# KiCad board q2.kicad_pcb (continued)
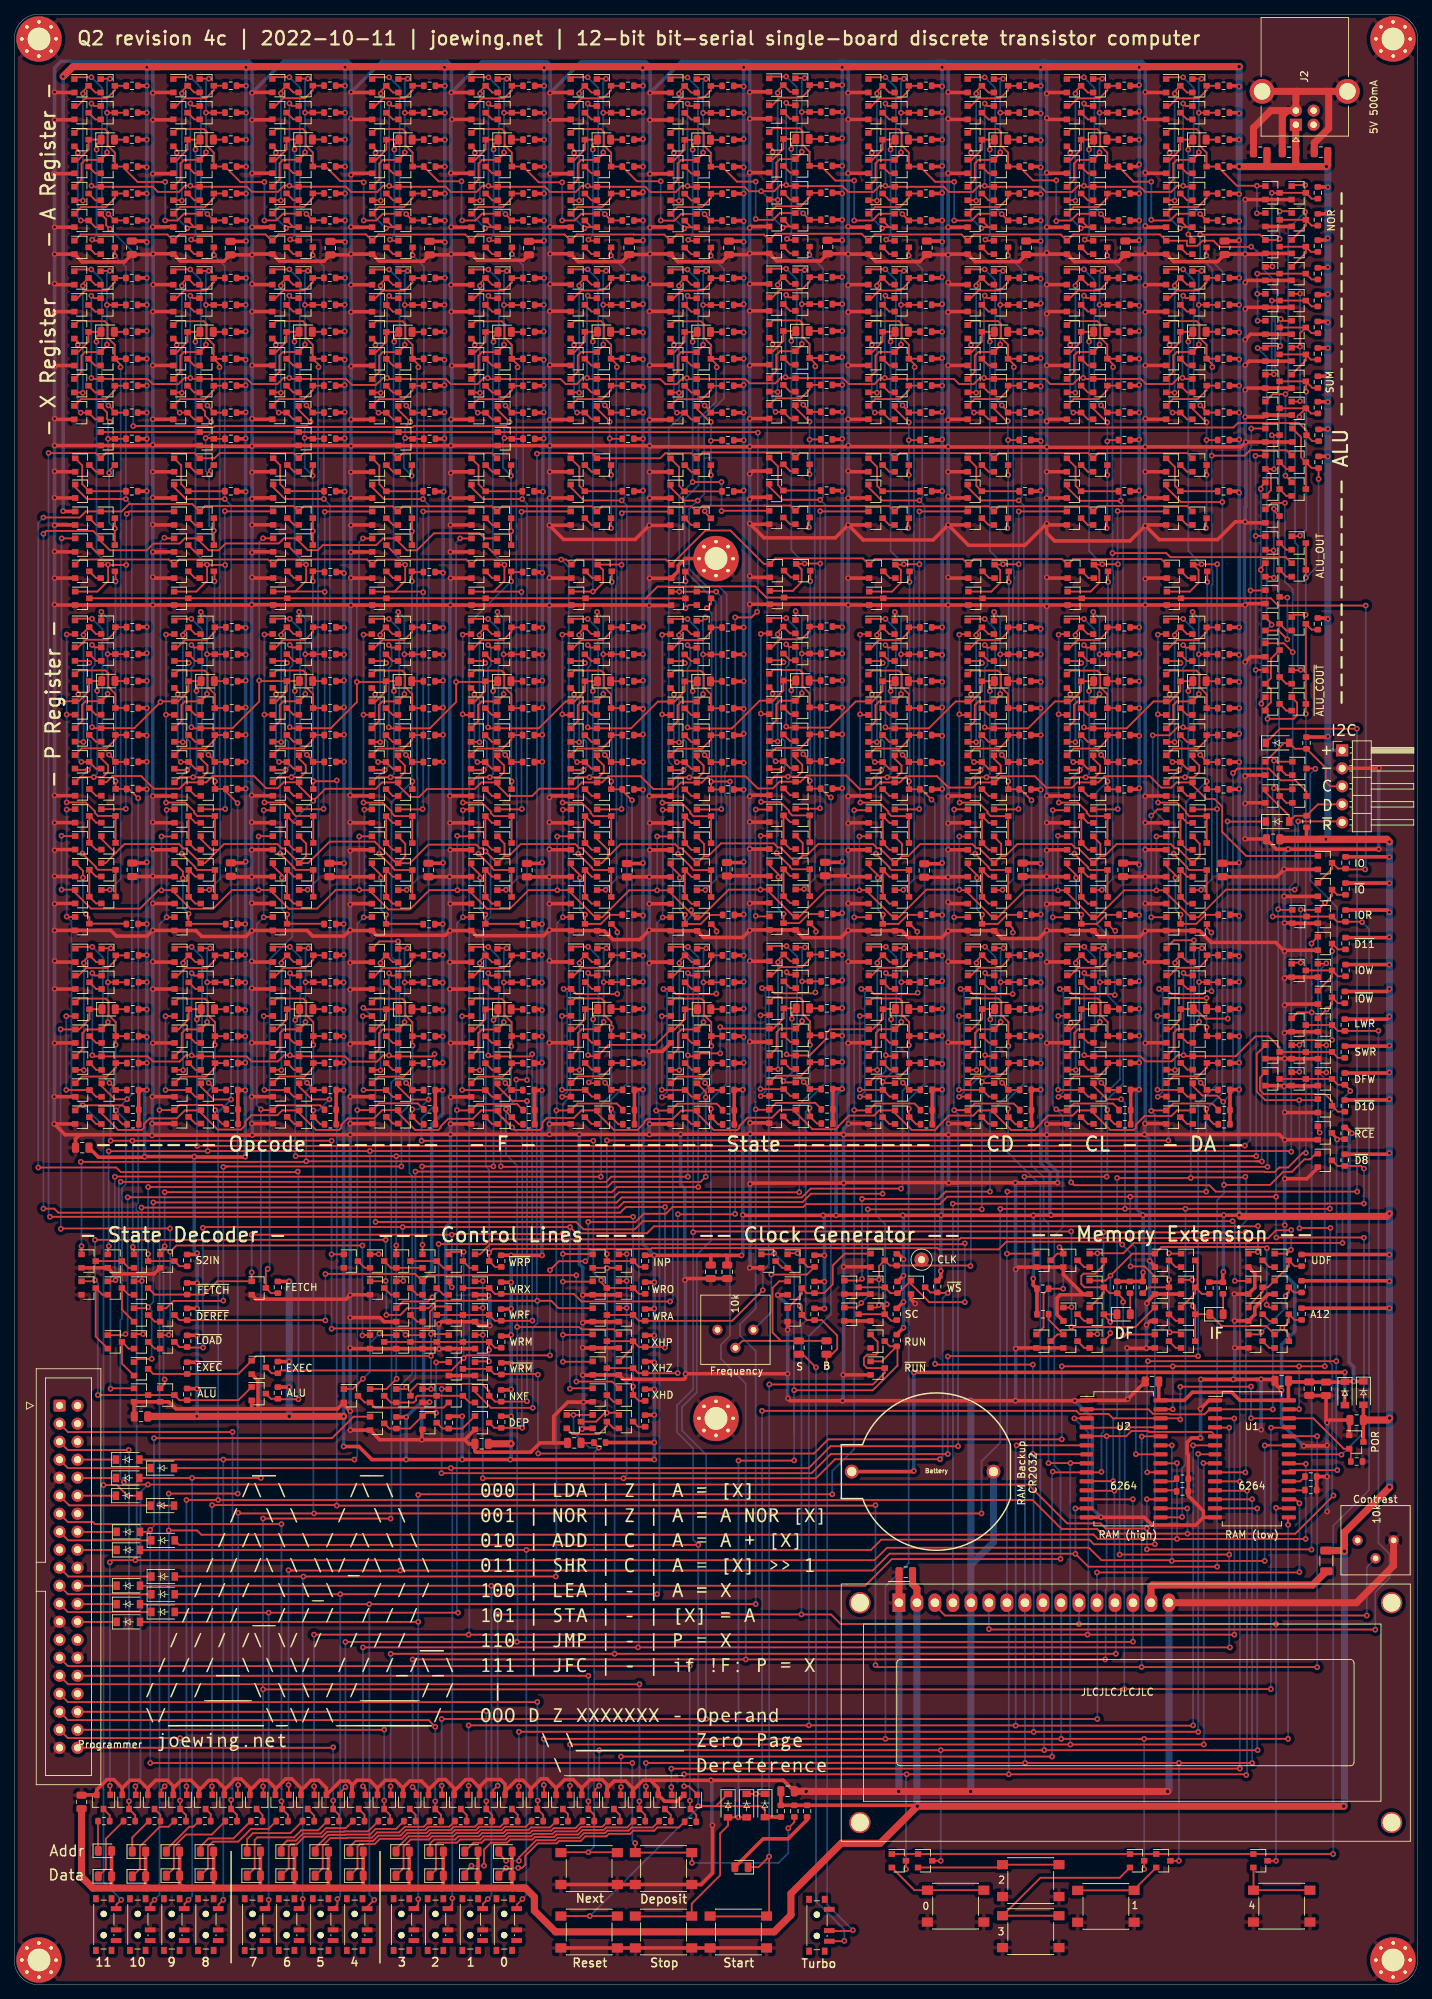
[diagram p0: board, top side]
## Routing (per net, layer and track width the routed paths; a pad name or vN(x,y) marks a point on that pad's centre or on a via; arc(x,y) is an arc through that point) (continued)
  Bottom w0.25: v1(174.62,68.5) v1(174.62,31.3) ; v1(142.6,31.3) 142.58,31.32 DS1.8 142.58,113.92 v1(142.5,114) ; v1(154.18,243.95) 156.1,242.03 156.1,209 156.43,208.67 156.43,127.13 154.2,124.9 v1(154.2,123.45) 154.2,114.1 v1(154.1,114) ; v1(164.3,17.5) v1(164.3,31.3) ; v1(89.1,28) v1(89.1,31.3)
DBUS2: length 383.9
  Top w0.25: v1(141.7,209.4) 136.36,209.4 134.5,211.26 Q801.1 ; v1(140.2,123.6) 140.2,122.45 Q756.3 141.25,121.4 141.88,121.4 ; v1(140.18,243.95) 140.2,243.97 Q759.3 ; v1(82.52,33.1) v1(130.7,33.1) v1(145.3,33.1) v1(175.4,33.1) ; Q827.3 v1(130.7,17.5) ; v1(175.35,67.2) 175.33,67.21 169.52,67.21 ; Q991.1 81.95,27.52 v1(82.52,28.1)
  Bottom w0.25: v1(140.18,243.95) 142.1,242.03 142.1,209.8 v1(141.7,209.4) 142.43,208.67 142.43,127.13 140.2,124.9 v1(140.2,123.6) 140.2,117.37 144.76,112.82 144.76,54.26 DS1.9 145.3,53.72 v1(145.3,33.1) ; v1(82.52,28.1) 82.52,32.9 ; v1(175.35,67.2) 175.35,33.15 v1(175.4,33.1) ; v1(130.7,17.5) v1(130.7,33.1)
DBUS3: length 409.2
  Top w0.25: v1(127.7,209.4) 122.36,209.4 120.5,211.26 Q464.1 ; v1(126.2,123.6) 126.2,122.45 Q419.3 127.25,121.4 127.87,121.4 ; v1(126.17,243.95) 126.2,243.97 Q422.3 ; v1(74.7,34.7) v1(122.9,34.7) v1(147.7,34.7) 158.7,34.7 ; 158.7,34.7 v1(159.4,34.7) v1(179.7,34.7) ; 158.7,34.7 159.3,34.7 ; Q826.3 v1(159.4,16.3) ; Q990.1 74.75,28.15 v1(74.7,28.2) ; 179.68,65.94 179.68,64.92 v1(179.7,64.9)
  Bottom w0.25: v1(126.17,243.95) 128.1,242.03 128.1,209.8 v1(127.7,209.4) 128.43,208.67 128.43,127.13 126.2,124.9 v1(126.2,123.6) 126.17,123.57 126.17,59.47 122.9,56.2 v1(122.9,34.7) ; v1(74.7,28.2) v1(74.7,34.7) ; v1(159.4,16.3) v1(159.4,34.7) ; v1(179.7,64.9) v1(179.7,34.7) ; v1(147.7,34.7) 147.7,53.86 DS1.10
DBUS4: length 399
  Top w0.25: v1(113.7,209.5) 108.36,209.5 106.5,211.36 Q396.1 ; v1(112.2,123.7) 112.2,122.55 Q351.3 113.25,121.5 113.87,121.5 ; v1(112.17,244.05) 112.2,244.07 Q354.3 ; Q825.3 v1(178,17.5) ; v1(178,50.9) v1(150.2,50.9) 116.57,50.9 115.22,52.25 v1(111.05,52.25) v1(68.2,52.25) ; 179.68,67.21 178.08,67.21 v1(178,67.3) ; v1(68.2,28.1) 67.55,27.45 Q989.1
  Bottom w0.25: v1(112.17,244.05) 114.1,242.13 114.1,209.9 v1(113.7,209.5) 114.43,208.77 114.43,127.23 112.2,125 v1(112.2,123.7) 111.65,123.15 111.65,93.65 111.05,93.05 v1(111.05,52.25) ; v1(68.2,28.1) v1(68.2,52.25) ; v1(150.2,50.9) DS1.11 ; v1(178,17.5) v1(178,50.9) v1(178,67.3)
DBUS5: length 390.7
  Top w0.25: Q879.1 92.58,211.24 94.44,209.38 v1(96.42,209.38) ; v1(98.28,123.58) 98.28,122.43 Q834.3 99.33,121.38 99.95,121.38 ; v1(98.26,243.93) 98.28,243.95 Q837.3 ; v1(60.3,37.5) v1(97.6,37.5) v1(152.8,37.5) ; Q988.1 60.35,28.05 v1(60.3,28.1) ; v1(152.74,58.17) 181.24,58.17 v1(181.3,58.23) ; v1(181.3,67.93) 180.75,68.48 U1.17
  Bottom w0.25: v1(60.3,28.1) 60.3,37.79 ; v1(181.3,67.93) 181.3,58.94 ; 181.3,58.94 181.3,58.5 ; 181.3,58.94 v1(181.3,58.23) ; v1(98.26,243.93) 100.14,242.04 100.14,223.83 97.34,221.03 97.34,210.3 v1(96.42,209.38) 95.2,208.16 95.2,199.78 97.72,197.26 99.44,197.26 100.51,196.19 100.51,171.29 100.25,171.04 100.25,167.85 100.48,167.62 100.48,127.08 98.28,124.88 v1(98.28,123.58) 98.28,104.98 96.3,103 96.3,83.6 94.2,81.5 94.2,78.2 97.6,74.8 v1(97.6,37.5) ; v1(152.8,37.5) 152.8,53.84 DS1.12 v1(152.74,58.17)
DBUS6: length 361.6
  Top w0.25: Q947.1 78.5,211.26 80.36,209.4 v1(85.7,209.4) ; v1(53.1,28) 53.1,26.8 53.15,26.75 Q987.1 ; v1(84.2,123.6) 84.2,122.45 Q902.3 85.25,121.4 85.87,121.4 ; Q905.3 84.2,243.97 v1(84.17,243.95) ; v1(155.4,46.7) v1(84.7,46.7) v1(53.1,46.7) ; 151.42,69.75 151.48,69.7 v1(155.2,69.7)
  Bottom w0.25: v1(84.7,46.7) 84.7,123.1 v1(84.2,123.6) 84.2,124.9 86.43,127.13 86.43,208.67 v1(85.7,209.4) 86.1,209.8 86.1,242.03 v1(84.17,243.95) ; v1(53.1,28) v1(53.1,46.7) ; v1(155.2,69.7) 155.2,53.98 DS1.13 155.4,53.78 v1(155.4,46.7)
DBUS7: length 386.6
  Top w0.25: v1(71.66,209.59) 66.17,209.59 64.51,211.26 Q306.1 ; v1(72.34,127.64) 72.28,127.7 v1(70.83,127.7) ; v1(157.82,48.42) 157.77,48.38 v1(70.92,48.38) v1(46.72,48.38) ; v1(46.72,27.9) 45.95,27.12 Q986.1 ; Q673.1 84.57,92.48 80.02,92.48 79.7,92.8 v1(70.95,92.8) ; Q283.3 v1(70.2,244.15) ; 151.42,68.48 157.79,68.48 v1(157.8,68.5) ; R122.2 71.2,121.4 Q281.3 69.38,123.22 v1(69.38,123.52)
  Bottom w0.25: v1(70.2,244.15) 71.8,242.55 71.8,209.73 v1(71.66,209.59) 72.34,208.91 v1(72.34,127.64) ; v1(157.82,48.42) DS1.14 157.8,53.92 v1(157.8,68.5) ; v1(46.72,27.9) v1(46.72,48.38) ; v1(70.92,48.38) 71,48.45 71,63.77 70.95,63.82 v1(70.95,92.8) 70.95,115.56 69.38,117.13 v1(69.38,123.52) 70.83,124.97 v1(70.83,127.7)
DBUS8: length 527.1
  Top w0.25: Q279.1 54.17,126.7 55.98,124.89 v1(58.45,124.89) ; v1(57.66,209.59) 52.17,209.59 50.51,211.26 Q236.1 ; Q830.3 182.3,168.35 180.73,169.92 178.66,169.92 177.01,171.57 172.55,171.57 v1(171.93,170.95) ; v1(38.7,28.2) 38.75,28.15 Q985.1 ; 38.95,58.45 39.3,58.45 ; 39.3,58.45 38.75,58.45 v1(38.7,58.5) ; 39.3,58.45 v1(54.45,58.45) 121.11,58.45 123.48,60.82 149.68,60.82 v1(149.7,60.8) 151.51,58.99 v1(169.7,58.99) ; v1(170.55,124.57) 169.68,125.45 167.62,125.45 166.25,126.81 Q621.1 ; v1(149.7,67.2) 151.4,67.2 ; v1(170.65,112.85) 177.16,112.85 179,114.69 180.25,114.69 182,116.45 182.81,116.45 183.62,117.26 Q824.1 ; v1(56.15,123.5) Q211.3 57.2,121.4 R92.2 ; Q213.3 v1(56.2,244)
  Bottom w0.25: v1(38.7,28.2) 38.7,57.85 ; 38.7,57.85 38.7,58.7 ; 38.7,57.85 v1(38.7,58.5) ; v1(54.45,58.45) 54.5,58.5 54.5,84.57 56.15,86.22 56.15,114.1 55.75,114.5 55.75,123.1 v1(56.15,123.5) 57.06,123.5 v1(58.45,124.89) 58.45,208.8 v1(57.66,209.59) 57.8,209.74 57.8,242.4 v1(56.2,244) ; v1(169.7,58.99) 169.7,110.7 170.65,111.65 v1(170.65,112.85) 170.65,124.47 v1(170.55,124.57) 171.93,125.95 171.93,170.95 v1(171.93,170.95) ; v1(149.7,60.8) v1(149.7,67.2)
DBUS9: length 566.2
  Top w0.25: Q209.1 40.19,126.72 42.01,124.91 v1(44.47,124.91) ; v1(43.68,209.61) 38.19,209.61 36.53,211.27 Q166.1 ; v1(42.1,244) 42.12,244.02 Q143.3 ; v1(185.6,109.5) 185.57,109.47 v1(165.23,109.47) v1(156.7,109.47) v1(139.1,109.47) ; v1(42.2,123.35) Q141.3 43.2,121.4 R62.2 ; v1(164.75,66) 164.69,65.94 161.58,65.94 ; Q984.1 31.55,28.15 v1(31.6,28.2) ; Q553.1 152.25,126.81 154.14,124.92 v1(156.15,124.92) ; Q832.3 183.5,171.6 v1(183.55,171.55) ; v1(31.6,66.6) 31.7,66.5 v1(42.3,66.5) v1(136.45,66.5)
  Bottom w0.25: v1(165.23,109.47) 165.23,73.37 164.75,72.9 v1(164.75,66) ; v1(31.6,66.6) v1(31.6,28.2) ; v1(42.1,244) 43.68,242.42 v1(43.68,209.61) 44.53,208.76 44.53,124.96 v1(44.47,124.91) 42.91,123.35 v1(42.2,123.35) 42.2,66.6 v1(42.3,66.5) ; v1(156.15,124.92) 156.7,124.37 v1(156.7,109.47) ; v1(183.55,171.55) 182.82,170.82 182.82,155.8 186.63,152 186.63,123.95 185.6,122.92 v1(185.6,109.5) ; v1(139.1,109.47) 139.1,76.5 136.45,73.85 v1(136.45,66.5)
DBUS10: length 490
  Top w0.25: Q96.1 22.56,211.26 24.22,209.6 v1(29.71,209.6) ; 26.33,127.17 26.33,126.71 28.14,124.9 v1(30.6,124.9) ; 161.58,67.21 165.46,67.21 v1(165.48,67.2) ; Q73.3 28.15,244.05 v1(28.2,244) ; v1(185.68,106.78) 181.36,106.78 v1(181.3,106.72) ; 181.52,124.8 v1(181.28,124.8) ; 181.52,124.8 183.75,124.8 Q653.1 ; 181.52,124.8 176.48,124.8 175.27,126 175.27,131.32 Q644.1 ; v1(24.3,28) 24.35,27.95 Q983.1 ; v1(186.1,69.02) 180.71,63.64 v1(165.51,63.64) 165.5,63.65 153.43,63.65 152.78,64.3 147.76,64.3 143.66,68.4 v1(28.77,68.4) v1(24.3,68.4) ; v1(28.35,123.4) Q71.3 29.35,121.45 R32.2
  Bottom w0.25: v1(30.6,124.9) 28.77,123.07 v1(28.77,68.4) ; v1(30.6,124.9) 29.1,123.4 v1(28.35,123.4) ; v1(30.6,124.9) 30.6,208.71 v1(29.71,209.6) 29.71,242.49 v1(28.2,244) ; v1(186.1,69.02) 185.93,69.2 185.93,87.48 185.65,87.75 185.65,106.75 v1(185.68,106.78) ; v1(24.3,28) v1(24.3,68.4) ; v1(165.51,63.64) 165.5,63.65 165.5,67.17 v1(165.48,67.2) ; v1(181.3,106.72) 181.3,124.77 v1(181.27,124.8)
DBUS11: length 506.9
  Top w0.25: Q641.1 183,146.95 v1(183,146.9) ; v1(15.47,70.9) 15.8,70.57 v1(18.87,70.57) 143.06,70.57 148.53,65.1 153.26,65.1 153.99,64.37 v1(159.77,64.37) ; v1(15.92,124.92) 14.19,124.92 12.32,126.79 Q69.1 ; v1(15.75,209.6) 10.26,209.6 8.6,211.26 Q26.1 ; 161.58,68.48 159.79,68.48 v1(159.77,68.5) ; v1(17.1,28) 17.15,27.95 Q982.1 ; v1(183,61.4) 182.98,61.42 v1(159.77,61.42) ; R2.2 15.3,121.4 Q1.3 14.3,123.3 v1(14.35,123.35) ; Q639.1 181.02,137.17 v1(183.03,137.17) ; Q3.3 v1(14.2,243.9)
  Bottom w0.25: v1(159.77,68.5) v1(159.77,61.42) ; v1(183,61.4) 183,71.4 183.03,71.43 v1(183.03,137.17) 183.03,146.87 v1(183,146.9) ; v1(14.2,243.9) 15.75,242.35 v1(15.75,209.6) 16.6,208.75 16.6,125.6 v1(15.92,124.92) v1(14.35,123.35) 15.75,121.95 15.75,112.95 15.21,112.41 15.21,93.99 14.97,93.75 14.97,71.4 v1(15.47,70.9) ; v1(17.1,28) 17.83,28.73 17.83,69.53 v1(18.87,70.57)
DEP: length 233.5
  Top w0.25: 68.89,122.28 70.57,120.6 74.15,120.6 74.5,120.95 74.5,121.64 75.15,122.29 78.96,122.29 80.01,123.35 Q902.1 82.25,122.96 84.62,120.6 87.92,120.6 88.9,121.59 88.9,121.78 89.28,122.16 92.92,122.16 94.09,123.33 Q834.1 96.33,122.94 98.7,120.58 102,120.58 102.31,120.89 102.31,121.18 103.45,122.33 106.89,122.33 108.01,123.45 Q351.1 110.25,123.06 112.62,120.7 115.92,120.7 116.23,121.01 116.23,121.1 117.75,122.62 121.29,122.62 122.01,123.35 Q419.1 124.25,122.96 126.62,120.6 129.92,120.6 130.23,120.91 130.23,121 131.85,122.62 135.29,122.62 136.01,123.35 Q756.1 138.25,122.96 140.62,120.6 143.92,120.6 144.95,121.63 144.95,121.72 145.85,122.62 149.29,122.62 150.01,123.35 Q487.1 152.25,122.96 154.62,120.6 157.92,120.6 158.23,120.91 158.23,121.33 159.47,122.57 163.24,122.57 164.01,123.35 Q555.1 ; 68.89,122.28 68.92,122.28 v1(70.25,120.95) ; 68.89,122.28 68.2,122.96 Q281.1 65.89,123.35 64.71,122.18 61.23,122.18 60.15,121.1 60.15,120.91 59.84,120.6 56.57,120.6 54.15,123.01 Q211.1 51.94,123.4 50.76,122.23 47.05,122.23 46.15,121.32 46.15,120.91 45.84,120.6 42.57,120.6 40.2,122.96 Q141.1 37.8,123.35 37.12,122.67 33.47,122.67 32.6,121.8 32.6,121.26 31.99,120.65 28.72,120.65 26.35,123.01 Q71.1 26.35,123.35 24.06,123.35 22.94,122.23 19.1,122.23 18.3,121.42 18.3,120.91 17.99,120.6 14.67,120.6 12.3,122.96 Q1.1 ; v1(71.67,78.57) R320.2 67.72,78.57 Q708.3
  Bottom w0.25: v1(71.67,78.57) 71.6,78.65 71.6,92.38 71.68,92.45 71.68,119.52 v1(70.25,120.95)
DEREF: length 84.6
  Top w0.25: R116.2 Q271.3 ; Q271.3 56.17,135.79 55.17,136.79 55.17,138.72 54.77,139.12 51.02,139.12 Q276.1 ; Q271.3 56.17,132.53 v1(56.2,132.5) ; v1(29.5,115.37) 29.58,115.45 30.15,115.45 ; v1(29.5,96.52) 29.45,96.47 22.47,96.47 21.45,95.45 Q654.1 ; 30.15,115.45 v1(54.62,115.45) ; 30.15,115.45 29.93,115.45
  Bottom w0.25: v1(56.2,132.5) 56.2,124.62 55.4,123.82 55.4,123.8 54.62,123.02 v1(54.62,115.45) ; v1(29.5,96.52) v1(29.5,115.37)
DF0: length 25.6
  Top w0.25: v1(156.43,91.67) 156.5,91.75 Q1004.1 ; Q1012.3 154.52,97.57 R461.2 156.43,96.75 v1(156.43,96.32) ; Q1012.3 151,98.4 150.52,98.87 150.52,100 150.85,100.32 152.48,100.32 153.7,101.55 Q1011.3 ; Q1012.3 153.7,97.55 Q1013.1
  Bottom w0.25: v1(156.43,91.67) v1(156.43,96.32)
DF_WR: length 81.5
  Top w0.25: Q1010.1 151.75,91.8 v1(152.8,91.8) ; v1(187.38,104.65) 157.91,104.65 156.46,103.2 v1(152.8,103.2) 152.75,103.15 Q1011.1 ; v1(188.48,126.07) 188.48,126.2 R295.2 186.73,126.97 Q652.3 Q651.3 Q650.3
  Bottom w0.25: v1(152.8,103.2) v1(152.8,91.8) ; v1(187.38,104.65) 187.38,125 187.4,125 v1(188.48,126.07)
F: length 273.2
  Top w0.25: R146.2 Q341.3 ; Q341.3 70.17,135.79 69.17,136.79 69.17,138.72 68.77,139.12 65.02,139.12 Q346.1 ; Q341.3 70.17,132.47 v1(70.1,132.4) ; v1(68.65,115.45) 68.7,115.4 v1(176.8,115.4) ; v1(177.37,191.87) 177.37,192.08 Q745.1 ; v1(178.6,231.2) 176.75,231.2 Q733.1 176.45,230.9 v1(175.4,230.9) ; v1(176.8,178.6) 180.49,178.6 180.98,179.09 180.98,180.87 Q739.1 ; Q730.1 178.9,234.75 v1(178.65,235)
  Bottom w0.25: v1(70.1,132.4) 70.1,126.97 68.65,125.52 v1(68.65,115.45) ; v1(175.4,230.9) 176.67,229.63 176.67,192.57 v1(177.37,191.87) 176.8,191.3 v1(176.8,178.6) v1(176.8,115.4) ; v1(178.6,231.2) 178.65,231.25 v1(178.65,235)
FIELD_IN0: length 5.9
  Top w0.25: R463.2 145.93,93.82 Q1014.1 147.15,91.75 Q1018.3
I2C_SCL: length 15.6
  Top w0.25: Q833.1 179.15,175.2 D60.2 180.68,174.37 R368.2 185.02,171.65 185.02,169.7 185.65,169.07 J3.3
I2C_SCL_OUT: length 149.3
  Top w0.25: D32.1 Q550.3 150.55,136.25 149.1,134.8 Q546.1 148.55,135.23 v1(149.02,135.7) ; v1(189.45,111.9) 169.5,111.9 168.6,112.8 149.5,112.8 v1(149.1,113.2) ; v1(189.4,177.2) 178.55,177.2 D60.1
  Bottom w0.25: v1(189.45,111.9) 189.43,111.92 189.43,177.17 v1(189.4,177.2) ; v1(149.02,135.7) 149.02,113.27 v1(149.1,113.2)
I2C_SDA: length 14.4
  Top w0.25: J3.4 183.9,166.53 R367.2 180.68,164.92 D59.2 179.85,164.91 176.5,168.26 Q831.1
I2C_SDA_OUT: length 44.5
  Top w0.25: Q614.1 163.1,134.8 164.55,136.25 Q618.3 D36.1 166.68,137.65 168.03,136.3 v1(171.2,136.3) ; D59.1 171.18,164.1 v1(171.15,164.13)
  Bottom w0.25: v1(171.15,164.13) 171.15,136.35 v1(171.2,136.3)
I2C_WR: length 66.4
  Top w0.25: v1(150.95,142.75) 151.3,142.4 Q548.1 ; v1(150.95,131.15) 151.1,131 Q549.1 158.87,131 159.6,130.27 163.26,130.27 164.14,131.15 v1(164.95,131.15) 165.1,131 Q617.1 172.3,131 175.1,133.8 176.95,133.8 178.5,132.25 Q644.3 Q645.3 Q646.3 186.73,130.77 R292.2 ; v1(164.95,142.75) 165.3,142.4 Q616.1
  Bottom w0.25: v1(150.95,142.75) v1(150.95,131.15) ; v1(164.95,142.75) v1(164.95,131.15)
INCP: length 179.9
  Top w0.25: R307.2 88.12,101.27 Q676.3 Q675.3 83.6,103.09 v1(83.61,103.1) ; v1(164.9,189) 165.25,188.65 Q586.1 ; Q587.1 165.05,177.25 v1(164.9,177.4) 164.09,177.4 162.96,176.27 v1(160.6,176.27) ; v1(83.61,119.12) 162.81,119.12 v1(162.82,119.11)
  Bottom w0.25: v1(164.9,189) 165.3,188.6 165.3,186.17 164.9,185.77 v1(164.9,177.4) ; 162.83,119.74 162.82,119.73 v1(162.82,119.11) ; 162.83,119.74 162.83,163.59 160.6,165.82 v1(160.6,176.27) ; 162.83,119.74 162.83,119.37 ; v1(83.61,103.1) v1(83.61,119.12)
IO: length 233.4
  Top w0.25: 38.52,195.6 Q165.3 38.55,195.59 Q235.3 Q305.3 66.51,195.6 Q946.3 ; 89.08,195.58 90.76,197.26 95.57,197.26 95.59,197.28 104.54,197.28 106.11,195.7 Q395.3 122.5,195.7 Q463.3 Q800.3 Q531.3 Q599.3 177.26,195.6 178.29,194.57 v1(190.65,194.57) ; 89.08,195.58 Q878.3 ; 89.08,195.58 80.59,195.58 ; Q25.3 Q95.3 38.42,195.6 ; v1(190.57,157.35) 187.93,157.35 R287.2 186.73,157.47 Q637.3 185.9,157.45 Q638.1
  Bottom w0.25: v1(190.57,157.35) 190.65,157.42 v1(190.65,194.57)
IO_RD: length 236.6
  Top w0.25: Q829.1 Q827.1 Q826.1 Q828.1 Q825.1 v1(186.05,18.45) ; v1(190.15,149.9) 190.07,149.97 R291.2 186.62,149.97 Q642.3 Q643.3 v1(177.52,150.7) ; v1(177.7,168.8) 177.85,168.65 Q830.1 ; v1(177.7,172.7) 177.85,172.55 Q832.1
  Bottom w0.25: v1(190.15,149.9) 191.13,148.92 191.13,69.83 186.07,64.77 186.07,18.47 v1(186.05,18.45) ; v1(177.52,150.7) 177.52,168.62 v1(177.7,168.8) v1(177.7,172.7)
LCD_WR: length 154.8
  Top w0.25: v1(192,50.1) 191.97,50.13 137.55,50.13 v1(137.5,50.17) ; v1(192.45,134.6) 192.43,134.57 R289.2 186.73,134.57 Q640.3 Q639.3
  Bottom w0.25: v1(192.45,134.6) 192.45,62.35 194,60.8 194,57.4 192,55.4 v1(192,50.1) ; DS1.6 v1(137.5,50.17)
NEXTF: length 66.7
  Top w0.25: Q677.3 55.9,83.79 56.89,84.78 65.97,84.78 67,83.75 Q678.3 67.83,82.27 R309.2 72.28,82.27 v1(72.33,82.32) ; v1(72.34,124.66) 72.3,124.7 70.25,124.7 68.17,126.78 68.17,127.17 Q349.1
  Bottom w0.25: v1(72.34,124.66) 72.34,82.33 v1(72.33,82.32)
O0: length 310
  Top w0.25: R86.2 Q201.3 ; Q201.3 42.19,135.81 41.19,136.81 41.19,138.73 40.8,139.13 37.05,139.13 Q206.1 ; Q201.3 42.19,132.6 v1(42.2,132.6) ; v1(175.93,180.74) 175.93,181.07 Q747.1 ; 175.32,116.17 175.82,116.17 175.9,116.1 175.95,116.1 176.02,116.17 175.32,116.17 ; 175.32,116.17 175.18,116.17 ; 175.18,116.17 175.93,116.17 176,116.1 ; 175.18,116.17 v1(41.2,116.17) 41.12,116.1 v1(9.4,116.1) ; Q669.1 v1(9.5,104.2) ; Q749.1 175.85,211.3 v1(175.85,211.02) ; Q751.1 175.85,199.9 v1(175.85,199.62)
  Bottom w0.25: v1(41.2,116.17) 41.2,126.06 42.2,127.06 v1(42.2,132.6) ; v1(9.4,116.1) 9.5,116 v1(9.5,104.2) ; 176,116.1 176,180.66 v1(175.93,180.74) 175.93,199.54 v1(175.85,199.62) v1(175.85,211.02)
  vias: v1(176,116.15)
O1: length 353.3
  Top w0.25: R56.2 Q131.3 ; Q131.3 28.33,135.8 27.33,136.8 27.33,138.72 26.92,139.12 23.17,139.12 22.62,138.57 ; Q131.3 28.33,132.62 v1(28.3,132.6) ; v1(13.32,117.6) 27.27,117.6 v1(27.3,117.62) v1(50.17,117.62) 180.05,117.62 v1(180.15,117.52) ; v1(51.52,91.87) 51.75,91.65 Q693.1 ; v1(51.42,103.07) 51.4,103.05 Q717.1 ; Q755.1 177.4,209.05 v1(179.25,209.05) ; Q670.1 13.2,104.05 v1(13.35,104.2) ; v1(180.35,188) 179.1,189.25 Q753.1 ; v1(49.2,85.5) 47.75,84.05 Q686.1
  Bottom w0.25: v1(51.42,103.07) 50.62,103.07 50.2,103.5 ; v1(28.3,132.6) 28.3,127.02 27.3,126.02 v1(27.3,117.62) ; 50.2,90.55 50.2,103.5 ; 50.2,90.55 50.2,86.5 v1(49.2,85.5) ; 50.2,90.55 v1(51.52,91.87) ; 50.2,103.5 50.2,117.6 v1(50.17,117.62) ; v1(179.25,209.05) 179.25,197.95 180.35,196.85 v1(180.35,188) 180.35,163.83 180.67,163.5 180.67,155.62 179.9,154.85 179.9,154.15 180.15,153.9 v1(180.15,117.52) ; 13.32,104.77 13.32,104.4 ; 13.32,104.77 v1(13.32,117.6) ; 13.32,104.77 13.32,104.22 v1(13.35,104.2)
O2: length 121.8
  Top w0.25: R26.2 Q61.3 ; Q61.3 14.32,135.8 13.32,136.8 13.32,138.73 12.92,139.13 9.17,139.13 Q66.1 ; Q61.3 14.32,132.62 v1(14.3,132.6) ; v1(13.6,119.07) v1(16.67,119.07) v1(44.77,119.07) ; Q718.1 v1(44.77,103.05) ; v1(44.77,92.55) 44.83,92.6 58.53,92.6 58.65,92.71 58.65,94.99 59.36,95.7 61.05,95.7 Q702.1 ; v1(16.72,104.1) 16.9,103.92 Q665.1
  Bottom w0.25: v1(13.6,119.07) 13.6,126.33 14.3,127.03 v1(14.3,132.6) ; v1(44.77,92.55) v1(44.77,103.05) v1(44.77,119.07) ; v1(16.67,119.07) 16.72,119.02 v1(16.72,104.1)
S0: length 167.8
  Top w0.25: R206.2 Q477.3 ; Q477.3 126.25,135.82 125.25,136.82 125.25,138.75 124.85,139.15 121.1,139.15 Q482.1 ; Q477.3 126.25,132.6 v1(126.2,132.55) ; v1(18.9,95.6) 18.75,95.45 Q658.1 ; v1(19.4,88.3) 17.35,88.3 Q660.1 ; v1(125.1,112.33) 112.35,112.33 111.1,111.07 85.7,111.07 85,110.37 v1(19.62,110.37)
  Bottom w0.25: v1(126.2,132.55) 126.2,127.02 125.3,126.12 125.3,112.75 ; 125.3,112.75 125.3,112.55 ; 125.3,112.75 125.3,112.53 v1(125.1,112.33) ; v1(19.4,88.3) 19.4,95.1 v1(18.9,95.6) 19.62,96.32 v1(19.62,110.37)
S1: length 152
  Top w0.25: R176.2 Q409.3 ; Q409.3 112.25,135.92 111.25,136.92 111.25,138.85 110.85,139.25 107.1,139.25 Q414.1 ; Q409.3 v1(112.25,132.6) ; v1(15.7,91.8) 15.55,91.65 Q662.1 ; v1(110.75,111.8) 85.3,111.8 84.6,111.1 16.5,111.1 ; v1(16,111.1) 16.5,111.1 ; 16.5,111.1 16.25,111.1
  Bottom w0.25: v1(112.25,132.6) 112.25,125.69 110.75,124.19 v1(110.75,111.8) ; v1(15.7,91.8) 16,92.1 v1(16,111.1)
S2: length 141.1
  Top w0.25: 99.9,133.83 Q892.3 ; Q892.3 98.33,135.8 97.33,136.8 97.33,138.73 96.93,139.13 93.18,139.13 Q897.1 ; Q892.3 98.33,132.47 v1(98.35,132.45) ; Q666.1 21.22,84.77 v1(21.22,85.4) ; v1(21.22,111.82) 84.3,111.82 85.02,112.55 v1(96.5,112.55) ; v1(21.22,104.2) 20.6,103.57 Q671.1
  Bottom w0.25: v1(21.22,111.82) v1(21.22,104.2) 21.07,104.05 21.07,85.55 v1(21.22,85.4) ; 97.93,126.65 96.5,125.22 ; 97.93,126.65 98.35,127.07 v1(98.35,132.45) ; 97.93,126.65 97.93,126.65 96.5,125.22 ; 96.5,125.22 v1(96.5,112.55)
S2IN: length 109.2
  Top w0.25: R303.2 23.33,101.37 Q671.3 Q665.3 v1(18.9,103.1) ; Q900.1 97.55,125.96 v1(97.55,125.2) ; v1(97.55,114) 96.82,113.27 84.42,113.27 83.7,112.55 v1(18.9,112.55)
  Bottom w0.25: v1(18.9,103.1) v1(18.9,112.55) ; v1(97.55,125.2) v1(97.55,114)
S3: length 135.7
  Top w0.25: R424.2 Q960.3 v1(84.25,135.05) 84.25,135.82 83.25,136.82 83.25,138.75 82.85,139.15 79.1,139.15 Q965.1 ; v1(82.75,114) 28.5,114 28.47,114.03 14.23,114.03 v1(14.2,114) ; v1(13.6,84.1) 13.65,84.15 Q667.1
  Bottom w0.25: v1(14.2,114) 14.2,100.37 13.57,99.75 13.57,84.13 v1(13.6,84.1) ; v1(82.75,114) 82.8,114.05 82.8,124.14 84.25,125.59 v1(84.25,135.05)
SC: length 58.2
  Top w0.25: v1(122.95,142.75) 123.3,142.4 Q480.1 ; v1(122.95,131.15) 123.1,131 Q481.1 ; R276.2 124.5,93.7 123.7,93.7 Q629.3 ; Q629.3 Q630.3 ; Q629.3 122.8,95.7 v1(123.1,96)
  Bottom w0.25: v1(122.95,142.75) v1(122.95,131.15) 122.95,128.92 121.55,127.52 121.55,108.62 122.87,107.3 122.87,96.23 v1(123.1,96)
STATE_ALU: length 335.4
  Top w0.25: v1(4.13,207) 9.25,207 10.1,207.85 Q19.1 15.15,207.85 16.2,208.9 25.11,208.9 Q89.1 26.94,208.63 39.36,208.63 Q159.1 40.84,208.57 53.38,208.57 Q229.1 54.83,208.57 67.38,208.57 Q299.1 68.84,208.58 81.47,208.58 Q941.1 82.91,208.56 95.55,208.56 Q873.1 97.1,208.65 105.77,208.65 105.79,208.68 109.47,208.68 Q390.1 110.88,208.63 123.42,208.63 Q458.1 124.93,208.58 137.47,208.58 Q795.1 138.93,208.58 151.47,208.58 Q526.1 152.98,208.63 165.42,208.63 Q594.1 ; v1(3.4,115.3) 14.4,115.3 15.05,114.65 39.92,114.65 v1(40,114.73) ; Q668.3 36.22,82.67 R305.2 37.27,82.6 v1(40.1,82.6)
  Bottom w0.25: v1(40.1,82.6) 40.1,114.63 v1(40,114.73) ; v1(3.4,115.3) 3.4,206.27 v1(4.13,207)
STATE_EXEC: length 591.5
  Top w0.25: Q664.3 36.33,86.27 R302.2 37.6,86.68 61.68,86.68 v1(63.4,88.4) 63.8,88.8 75.57,88.8 v1(75.58,88.8) ; 36.32,246.07 35.46,246.93 23.33,246.93 Q74.1 21.59,246.93 9.38,246.93 Q4.1 ; v1(158.23,74.85) 158.24,74.83 161.58,74.83 ; Q643.1 178.38,151.65 v1(178.3,151.73) ; v1(178,111.17) v1(157.44,111.17) 131.62,111.17 130.58,110.13 111.7,110.13 111.3,109.73 92.87,109.73 91.92,108.77 88.8,108.77 87.65,107.62 v1(80.98,107.62) ; v1(187.23,74.78) 187.17,74.83 179.68,74.83 179.69,74.82 ; v1(174.5,245.2) 174.47,245.17 170.04,245.17 169.16,246.05 167.64,246.05 166.91,245.32 165.49,245.32 165.42,245.39 165.42,246.05 Q559.1 161.62,246.93 149.38,246.93 Q491.1 147.62,246.93 135.38,246.93 Q760.1 133.62,246.93 121.38,246.93 Q423.1 119.52,247.03 107.38,247.03 Q355.1 105.74,246.91 93.46,246.91 Q838.1 91.7,246.91 87.41,246.91 87.39,246.93 79.38,246.93 Q906.1 77.62,246.93 65.38,246.93 Q284.1 63.62,246.93 51.38,246.93 Q214.1 49.61,246.94 37.3,246.94 Q144.1 ; v1(80.58,102.07) 76.83,102.07 v1(75.58,100.82) ; v1(63.4,103.4) 61.65,103.4 Q710.1 ; v1(178.05,105.42) 190.38,105.42 v1(190.4,105.4)
  Bottom w0.25: v1(157.44,111.17) 157.44,104.75 158.23,103.96 v1(158.23,74.85) ; v1(80.58,102.07) 80.98,102.47 v1(80.98,107.62) ; v1(190.4,105.4) 190.4,77.95 190.39,77.95 v1(187.23,74.78) ; v1(63.4,88.4) v1(63.4,103.4) ; v1(75.58,100.82) v1(75.58,88.8) ; v1(178.05,105.42) 178,105.47 v1(178,111.17) 178,126.8 178.3,127.1 v1(178.3,151.73) 178.43,151.85 178.43,227.55 177.87,228.1 177.87,235.3 178.13,235.55 178.13,240.07 176.08,242.12 176.08,243.72 174.6,245.2 v1(174.5,245.2)
STATE_FETCH: length 269.3
  Top w0.25: R301.2 36.22,97.57 Q656.3 35.5,100.73 v1(35.76,100.99) ; Q637.1 173.8,159.25 170.4,162.65 170.4,166.22 169.34,167.28 168.18,167.28 166.23,169.24 Q571.1 163.96,169.62 163.24,168.9 161.82,168.9 160.22,170.5 153.8,170.5 152.93,169.62 Q503.1 149.96,169.62 149.24,168.9 145.58,168.9 143.98,170.5 139.22,170.5 138.34,169.62 Q772.1 135.96,169.62 135.24,168.9 131.78,168.9 130.18,170.5 125.8,170.5 124.93,169.62 Q435.1 122.11,169.62 121.16,168.67 119.29,168.67 117.36,170.6 111.8,170.6 110.93,169.72 Q367.1 107.96,169.72 107.01,168.77 104.89,168.77 103.18,170.48 97.88,170.48 97.01,169.6 Q850.1 94.04,169.6 93.14,168.7 90.16,168.7 88.36,170.5 83.8,170.5 82.93,169.62 Q918.1 80.09,169.62 79.21,168.74 74.1,168.74 73.08,167.72 69.68,167.72 68.17,169.24 Q318.1 65.9,169.62 64.98,168.7 58.24,168.7 57.12,167.58 55.82,167.58 54.17,169.24 Q248.1 51.9,169.62 51.01,168.73 43.9,168.73 v1(42.19,167.02) 42.19,167.13 40.19,169.13 Q178.1 38,169.64 37.16,168.8 35.55,168.8 33.84,170.51 27.97,170.51 27.1,169.63 Q108.1 24.2,169.63 23.31,168.74 19.68,168.74 17.9,170.53 13.88,170.53 13,169.65 Q38.1
  Bottom w0.25: v1(35.76,100.99) 36.03,101.26 36.03,144.64 39.24,147.86 39.24,164.07 v1(42.19,167.02)
USE_DF: length 11.6
  Top w0.25: Q1000.1 174.1,95.75 176.1,97.75 Q995.3 176.85,98.4 Q626.1 179.8,101.35 Q994.3 180.62,101.37 R454.2
USE_IF: length 11.9
  Top w0.25: Q1009.1 175.6,91.75 v1(175.95,92.1) ; v1(179.35,97.2) 179.83,97.68 179.83,98.37 180.52,97.67 R280.2
  Bottom w0.25: v1(179.35,97.2) 179.35,95.5 v1(175.95,92.1)
WRA: length 499.7
  Top w0.25: v1(24.85,265.41) 25.2,265.06 Q79.1 ; Q713.3 Q714.3 88.12,93.67 R322.2 101.27,93.67 v1(105.6,98) ; Q289.1 67.25,265.05 v1(66.9,265.4) ; Q219.1 53.25,265.05 v1(52.9,265.4) ; 37.2,252.94 38.08,253.82 v1(38.82,253.82) 38.97,253.67 Q150.1 46.79,253.67 47.53,252.92 51.21,252.92 52.09,253.8 v1(52.9,253.8) 53.05,253.65 Q220.1 60.86,253.65 61.59,252.92 65.21,252.92 66.09,253.8 v1(66.9,253.8) 67.05,253.65 Q290.1 74.86,253.65 75.59,252.92 79.21,252.92 80.09,253.8 v1(80.9,253.8) 81.05,253.65 Q912.1 89.03,253.65 89.78,252.9 93.29,252.9 94.17,253.78 v1(94.98,253.78) 95.13,253.63 Q844.1 103.02,253.63 103.63,253.02 v1(105.38,253.02) 107.21,253.02 108.09,253.9 v1(108.9,253.9) 109.05,253.75 Q361.1 116.82,253.75 117.65,252.92 121.21,252.92 122.09,253.8 v1(122.9,253.8) 123.05,253.65 Q429.1 131.12,253.65 131.85,252.92 135.21,252.92 136.09,253.8 v1(136.9,253.8) 137.05,253.65 Q766.1 144.8,253.65 145.53,252.92 149.21,252.92 150.09,253.8 v1(150.9,253.8) 151.05,253.65 Q497.1 158.82,253.65 159.55,252.92 163.21,252.92 164.09,253.8 v1(164.9,253.8) 165.05,253.65 Q565.1 ; Q149.1 39.17,265.07 v1(38.82,265.42) ; v1(80.9,265.4) 81.25,265.05 Q911.1 ; v1(94.98,265.38) 95.33,265.03 Q843.1 ; v1(108.9,265.5) 109.25,265.15 Q360.1 ; v1(122.9,265.4) 123.25,265.05 Q428.1 ; v1(136.9,265.4) 137.25,265.05 Q765.1 ; v1(150.9,265.4) 151.25,265.05 Q496.1 ; v1(164.9,265.4) 165.25,265.05 Q564.1 ; 37.1,252.94 33.53,252.94 32.82,253.66 Q80.1 25,253.66 v1(24.85,253.81) 24.11,253.81 23.23,252.93 20.27,252.93 19.55,253.65 Q10.1 11.05,253.65 v1(10.9,253.8) ; v1(10.9,265.4) 11.25,265.05 Q9.1
  Bottom w0.25: v1(24.85,265.41) v1(24.85,253.81) ; v1(66.9,265.4) v1(66.9,253.8) ; v1(52.9,265.4) v1(52.9,253.8) ; v1(38.82,265.42) v1(38.82,253.82) ; v1(80.9,265.4) v1(80.9,253.8) ; v1(94.98,265.38) v1(94.98,253.78) ; v1(108.9,265.5) v1(108.9,253.9) ; v1(122.9,265.4) v1(122.9,253.8) ; v1(136.9,265.4) v1(136.9,253.8) ; v1(150.9,265.4) v1(150.9,253.8) ; v1(164.9,265.4) v1(164.9,253.8) ; v1(105.38,253.02) 106.23,252.17 106.23,140.51 106.45,140.29 106.45,101.65 105.6,100.8 v1(105.6,98) ; v1(10.9,265.4) v1(10.9,253.8)
